# KiCad board Eclipse60.kicad_pcb (continued)
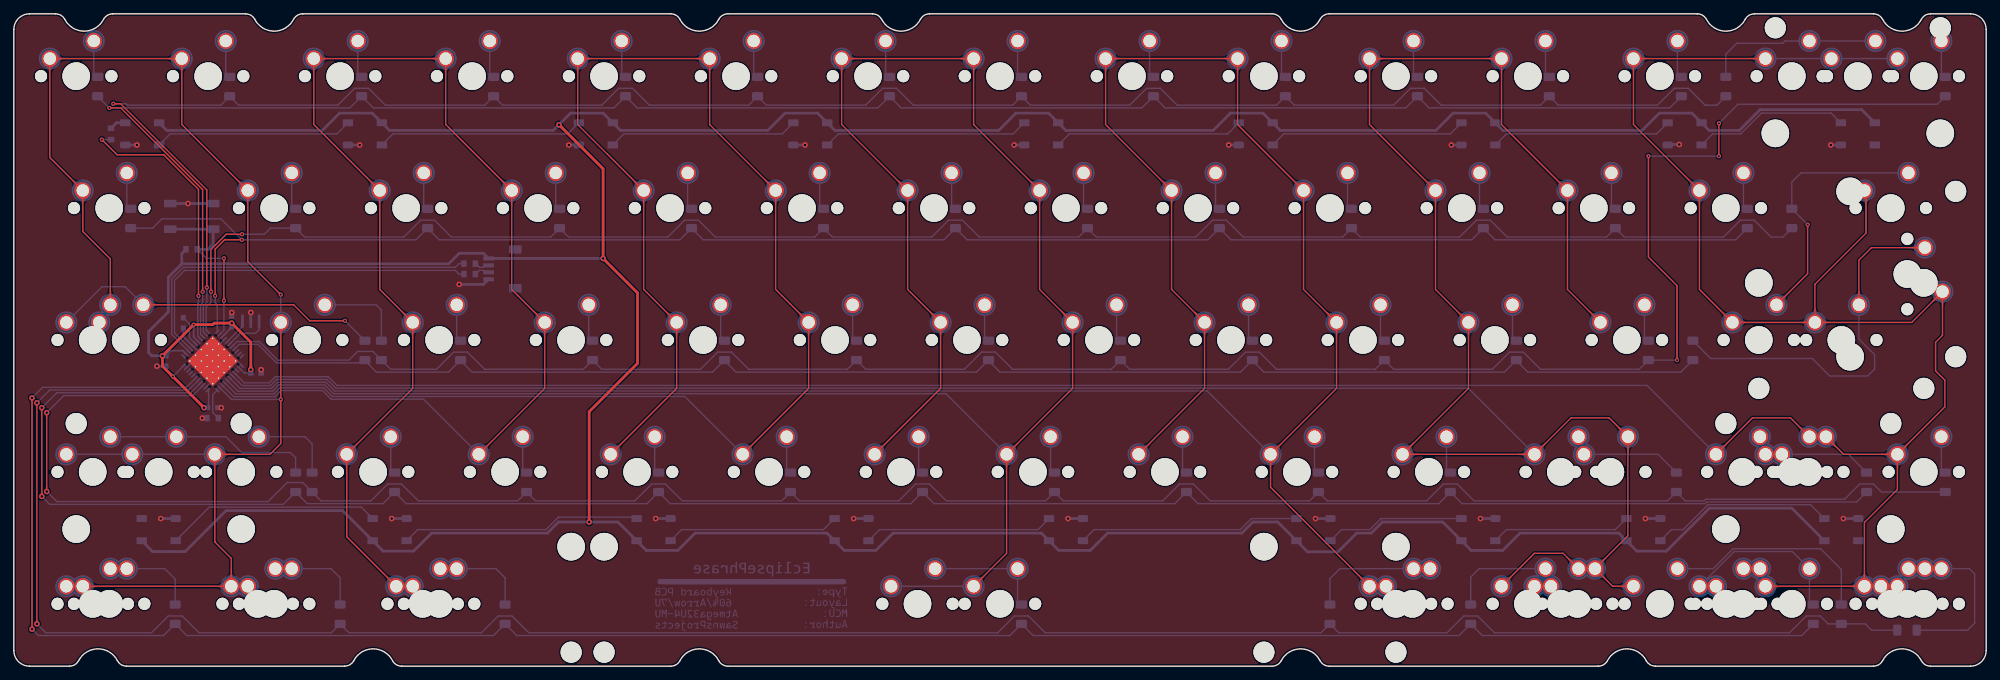
[diagram p0: board, top side]
## Copper pours and planes (outline as drawn; the poured copper is in the pictures) (continued)
Net-(D71-Pad2) on Bottom: 244.93,13.3 244.86,13.23 244.79,13.17 244.72,13.11 244.65,13.06 244.59,13.02 244.52,12.98 244.46,12.95 244.4,12.92 244.34,12.89 244.28,12.88 244.22,12.86 244.16,12.85 244.1,12.84 244.04,12.83 243.47,12.79 243.4,12.79 243.33,12.78 243.25,12.76 243.17,12.75 243.09,12.73 243.01,12.7 242.92,12.67 242.89,11.12 244.45,11.15 244.48,11.23 244.5,11.32 244.52,11.4 244.54,11.48 244.55,11.55 244.56,11.62 244.57,11.7 244.6,12.27 244.61,12.32 244.62,12.38 244.63,12.44 244.65,12.5 244.67,12.56 244.69,12.62 244.72,12.69 244.75,12.75 244.79,12.81 244.84,12.88 244.89,12.95 244.94,13.01 245,13.09 245.08,13.16
Net-(D72-Pad2) on Bottom: 281.43,14.18 281.29,14.18 281.17,14.19 281.05,14.2 280.94,14.22 280.83,14.24 280.74,14.27 280.65,14.3 280.56,14.33 280.48,14.37 280.41,14.4 280.34,14.45 280.27,14.49 280.2,14.54 280.14,14.59 280.08,14.64 280.02,14.7 279.71,14.99 279.64,15.05 279.57,15.11 279.5,15.17 279.42,15.23 279.33,15.29 279.25,15.35 279.15,15.41 279.05,15.46 278.94,15.52 277.44,14.08 278.94,12.64 279.05,12.7 279.15,12.75 279.25,12.81 279.33,12.87 279.42,12.93 279.5,12.99 279.57,13.05 279.64,13.11 279.71,13.17 280.02,13.46 280.08,13.52 280.14,13.57 280.2,13.62 280.27,13.67 280.34,13.71 280.41,13.76 280.48,13.79 280.56,13.83 280.65,13.86 280.74,13.89 280.83,13.92 280.94,13.94 281.05,13.96 281.17,13.97 281.29,13.98 281.43,13.98
Net-(D72-Pad2) on Bottom: 280.63,14.18 280.53,14.18 280.43,14.19 280.34,14.2 280.26,14.21 280.18,14.22 280.11,14.24 280.04,14.26 279.98,14.29 279.92,14.31 279.87,14.34 279.81,14.37 279.76,14.41 279.71,14.44 279.66,14.48 279.24,14.86 279.18,14.9 279.12,14.95 279.06,14.99 278.99,15.03 278.92,15.08 278.84,15.12 278.76,15.16 277.64,14.08 278.76,13 278.84,13.04 278.92,13.08 278.99,13.13 279.06,13.17 279.12,13.21 279.18,13.26 279.24,13.3 279.66,13.68 279.71,13.72 279.76,13.75 279.81,13.79 279.87,13.82 279.92,13.85 279.98,13.87 280.04,13.9 280.11,13.92 280.18,13.94 280.26,13.95 280.34,13.96 280.43,13.97 280.53,13.98 280.63,13.98
Net-(D72-Pad2) on Bottom: 275.87,5.3 274.94,5.74 274.38,5.2 274.94,4.66 275.87,5.1
Net-(R4-Pad2) on Bottom: 28.97,62.02 29.26,62.87 28.77,63.38 28.27,62.87 28.57,62.02
Net-(R4-Pad2) on Bottom: 23.66,63.31 22.81,63.6 22.29,63.11 22.81,62.61 23.66,62.91
Net-(R4-Pad2) on Bottom: 27.68,62.91 28.53,62.61 29.04,63.11 28.53,63.6 27.68,63.31
Net-(RGB14-Pad4) on Bottom: 184.15,21.22 184.93,20.87 185.39,21.32 184.93,21.77 184.15,21.42
Net-(RGB15-Pad4) on Bottom: 207.97,21.22 208.74,20.87 209.21,21.32 208.74,21.77 207.97,21.42

Small or netless copper shapes (teardrops, artwork), in the pictures only: 43 on Top, 222 on Bottom
